# Altium PCB X1000_BB.PcbDoc (part 1 of 2) (continued)
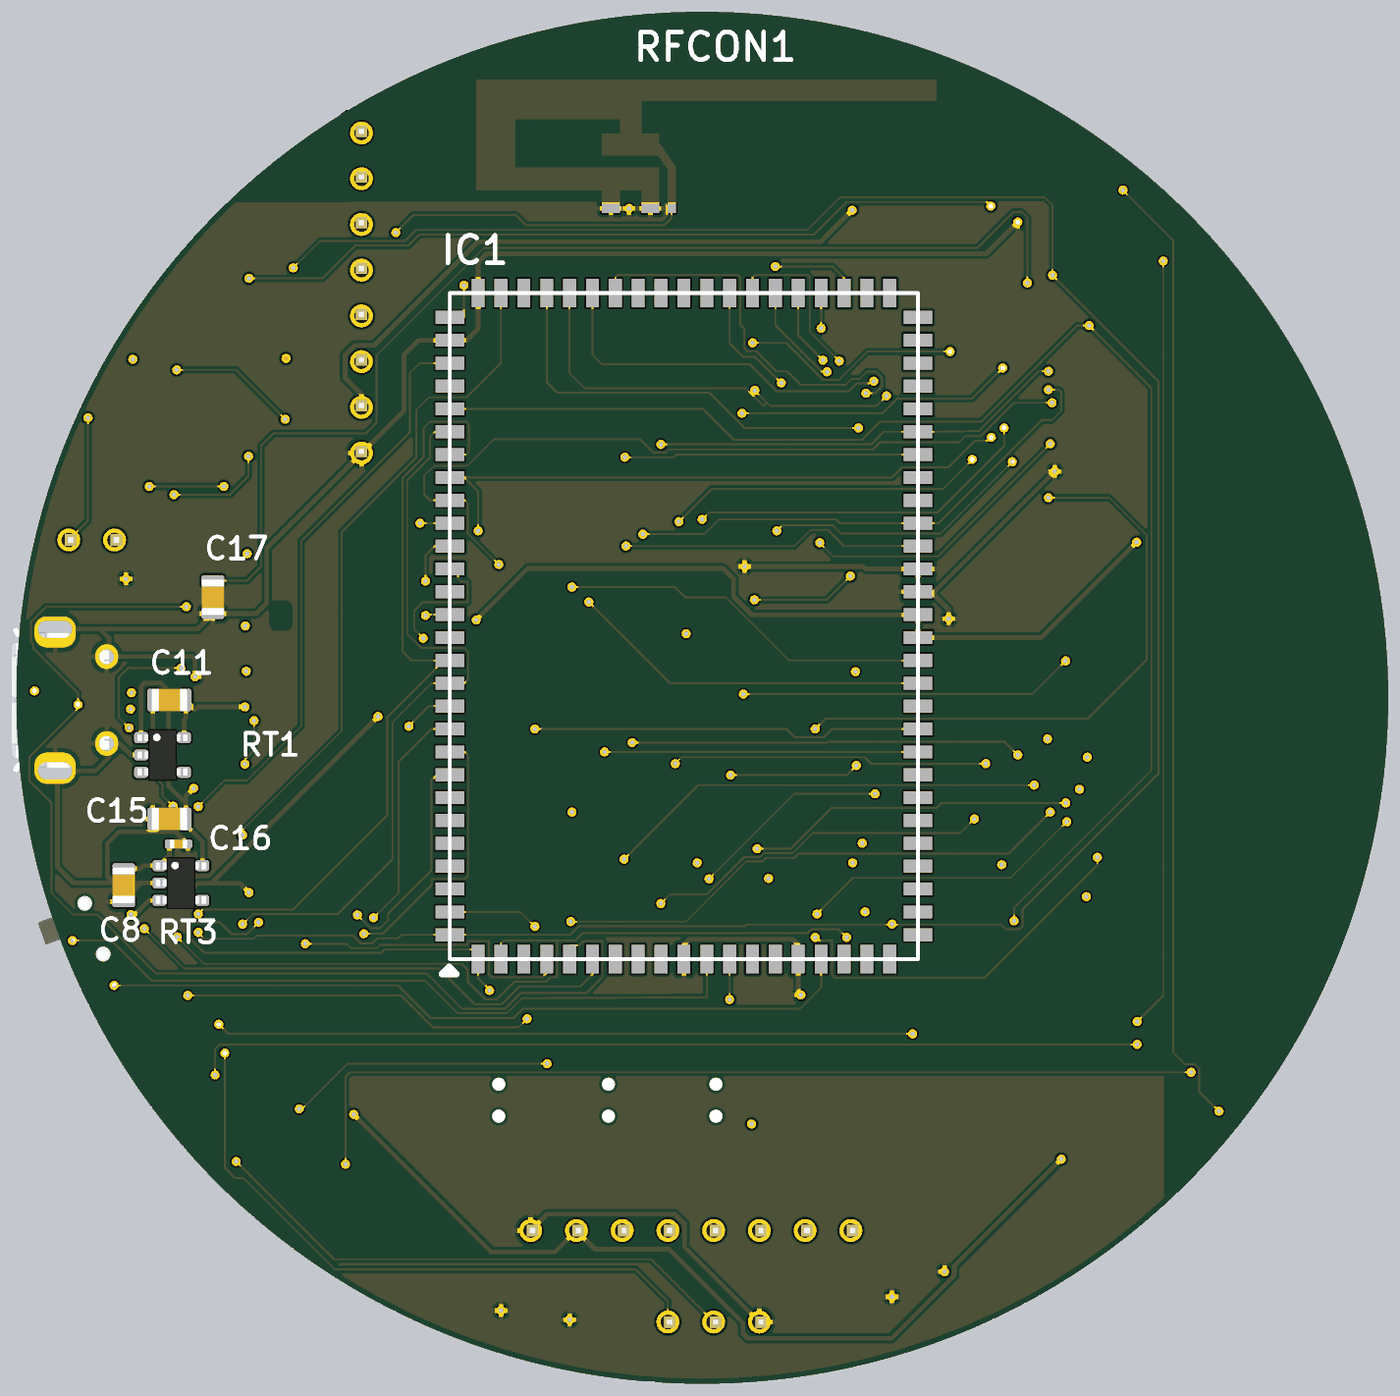
[diagram p6: 3D render of the assembled board from below, using the file's embedded part models]

## Layer stack, top to bottom
Top Solder: solder mask 0.4, Solder Resist, Dk 3.5
Top Layer: signal copper 1.4
Dielectric 1: core 10, FR-4, Dk 4.2
Signal Layer 1: signal copper 1.417
Dielectric 3: prepreg 5, Dk 4.2
Signal Layer 2: signal copper 1.417
Dielectric 2: core 10, Dk 4.2
Bottom Layer: signal copper 1.4
Bottom Solder: solder mask 0.4, Solder Resist, Dk 3.5

## Board outline
2525,3030 ccw(c4025,3030) 4025,1530 ccw(c4025,3030) 5525,3030 ccw(c4025,3030) 4025,4530 ccw(c4025,3030)

## Design rules (kind name [scope] priority, off if disabled: settings)
Clearance [InComponent('RFCON1')] p1: gap=0 ignorepadtopadclearanceinfootprint=FALSE
Clearance Clearance_2 [InComponent('RFCON2')] p2: gap=0 ignorepadtopadclearanceinfootprint=FALSE
Clearance Clearance_1 [All] p3: gap=6 ignorepadtopadclearanceinfootprint=FALSE except(0: Arc-Hole Track-Hole SMDPad-Hole THPad-Hole Via-Hole Fill-Hole Poly-Hole Region-Hole Text-Hole)
MinimumSolderMaskSliver [All] p1: minsoldermaskwidth=1
PolygonConnect [All] p1: connectstyle=Relief reliefconductorwidth=10 reliefentries=4 polygonreliefangle="90 Angle" airgapwidth=10
RoutingVias [All] p1: holewidth=10 width=20 viastyle="Through Hole" minholewidth=10 minwidth=20 maxholewidth=18 maxwidth=30
SilkToSilkClearance [All] p1: silktosilkclearance=3
SilkToSolderMaskClearance [IsPad] p1: minsilkscreentomaskgap=0 clearancetoexposedcopper=TRUE
SolderMaskExpansion [All] p1: expansion=4
Width WidthGND [InNet('GND')] p1: maxlimit=20 minlimit=6 preferedwidth=10 midlayer1_minwidth=10 midlayer2_minwidth=10 minimp=50.000000 maximp=50.000000 favimp=50.000000
Width WidthVCC33 [InNet('3.3V')] p2: maxlimit=20 minlimit=6 preferedwidth=10 midlayer1_minwidth=10 midlayer2_minwidth=10 minimp=50.000000 maximp=50.000000 favimp=50.000000
Width WidthVCC5 [InNet('5V')] p3: maxlimit=20 minlimit=6 preferedwidth=10 midlayer1_minwidth=10 midlayer2_minwidth=10 minimp=50.000000 maximp=50.000000 favimp=50.000000
Width WidthVCC12 [InNet('1.2V')] p4: maxlimit=20 minlimit=6 preferedwidth=10 midlayer1_minwidth=10 midlayer2_minwidth=10 minimp=50.000000 maximp=50.000000 favimp=50.000000
Width Width_1 [All] p5: maxlimit=10 minlimit=4 preferedwidth=10 toplayer_prefwidth=4 midlayer1_minwidth=10 midlayer2_minwidth=10 bottomlayer_prefwidth=4 minimp=50.000000 maximp=50.000000 favimp=50.000000
27 further rules are at their usual default settings.

## Classes and differential pairs
component class Audio: C1 C2 C3 C18 P1 R1 R2 R3 U1
component class Camera: J1 R4 R5 R6 R7
component class DMIC_LED: C4 C5 C6 C7 D1 D2 D3 D4 U2 U3 U4 U5
component class Halley2: IC1 RFCON1
component class Port: P2 P3 P4
component class Power: C8 C9 C10 C11 C12 C13 C14 C15 C16 C17 D9 RT1 RT2 RT3 RT4 S1 S2 S3 S4
component class USB: USB1
component class WiFi_BLE2: C19 C20 C21 C22 C23 C24 C25 L1 R15 R16 R17 R18 R19 R20 R21 R22 R23 RFCON2 U6 XT1
component class Xcore10: U7

## Components (designator, comment, footprint, x,y, rotation, side; value= is the part's Value field where it differs from the comment)
C1 "Cap_0402" CAP_0402 4975,3700 r0 top value=1uF
C2 "Cap_0402" CAP_0402 5165,3300 r0 top value=0.1uF
C3 "Cap_0402" CAP_0402 5160,3440 r0 top value=0.1uF
C4 "Cap_0603" CAP_0603 3520,4100 r0 top value=0.1uF
C5 "Cap_0603" CAP_0603 4935,3770 r0 top value=0.1uF
C6 "Cap_0603" CAP_0603 4765,2085 r0 top value=0.1uF
C7 "Cap_0603" CAP_0603 3145,2230 r0 top value=0.1uF
C8 "Cap_0805" CAP_0805 5290,2620 r90 bottom value=10uF
C9 "Cap_0805" CAP_0805 5100,2155 r180 top value=10uF
C10 "Cap_0402" CAP_0402 5180,2830 r180 top value=1uF
C11 "Cap_0805" CAP_0805 5190,3025 r180 bottom value=10uF
C12 "Cap_0402" CAP_0402 2935,3740 r90 top value=1uF
C13 "Cap_0805" CAP_0805 3160,3540 r90 top value=10uF
C14 "Cap_0402" CAP_0402 3045,3455 r0 top value=1uF
C15 "Cap_0805" CAP_0805 5190,2765 r180 bottom value=10uF
C16 "Cap_0402" CAP_0402 5170,2710 r0 bottom value=1uF
C17 "Cap_0805" CAP_0805 5095,3250 r90 bottom value=10uF
C18 "Cap_0402" CAP_0402 5380,3545 r90 top value=1uF
C19 "Cap_0805" CAP_0805 3505,2605 r90 top value=10uF
C20 "Cap_0402" CAP_0402 3635,2615 r90 top value=0.1uF
C21 "Cap_0402" CAP_0402 3065,2810 r90 top value=0.1uF
C22 "Cap_0805" CAP_0805 3710,2605 r90 top value=10uF
C23 "Cap_0402" CAP_0402 3055,3045 r270 top value=10pF
C24 "Cap_0402" CAP_0402 3040,2485 r270 top value=22pF
C25 "Cap_0402" CAP_0402 3255,2490 r90 top value=22pF
D1 "LED_3535_SK6812" LED_3535_4P 5115,3835 r0 top
D2 "LED_3535_SK6812" LED_3535_4P 3335,4105 r0 top
D3 "LED_3535_SK6812" LED_3535_4P 3015,2105 r0 top
D4 "LED_3535_SK6812" LED_3535_4P 4755,1870 r0 top
D9 "IN4001" DO-214AC 5095,2270 r0 top value=1N4001
IC1 "Halley2" Halley2 4065,3186.65 r90 bottom
J1 "CSI_24P" FFC_0.5_24 3370,3615 r90 top
L1 "Ind_0402" IND_0402 3560,2605 r90 top value=3.3uH
P1 "Speaker" HDR1X2_2.54_180 5310,3375 r90 top
P2 "HDR1x8_2.54" HDR1X8_2.54_180 3700,1865 r90 top
P3 "HDR1x8_2.54" HDR1X8_2.54_180 4770,4265 r0 top
P4 "HDR1x3_2.54" HDR1X3_2.54_180 4100,1665 r270 top
R1 "Res_0402" RES_0402 4975,3665 r0 top value=47K
R2 "Res_0402" RES_0402 5055,3545 r270 top value=30K
R3 "Res_0402" RES_0402 4975,3580 r0 top value=30K
R4 "Res_0402" RES_0402 3220,3410 r180 top value=0R(NC)
R5 "Res_0402" RES_0402 3220,3370 r180 top value=0R(NC)
R6 "Res_0402" RES_0402 3220,3780 r270 top value=2.2K
R7 "Res_0402" RES_0402 3220,3695 r90 top value=2.2K
R15 "Res_0402" RES_0402 3450,2615 r270 top value=47K
R16 "Res_0402" RES_0402 3400,2615 r270 top value=47K
R17 "Res_0402" RES_0402 3355,2615 r270 top value=47K
R18 "Res_0402" RES_0402 3310,2615 r270 top value=47K
R19 "Res_0402" RES_0402 3265,2615 r270 top value=47K
R20 "Res_0402" RES_0402 3220,2615 r270 top value=47K
R21 "Res_0402" RES_0402 3695,2835 r0 top value=47K
R22 "Res_0402" RES_0402 3690,2790 r180 top value=47K
R23 "Res_0402" RES_0402 3690,3145 r90 top value=4.7K
RFCON1 "U.FL-R-SMT" ANTENNA_DN007N 4091.93,4100 r180 bottom
RFCON2 "U.FL-R-SMT" ANTENNA_DN007N 2965,2883.07 r90 top
RT1 "RT9103-12GB" SOT23-5 5205,2905 r180 bottom
RT2 "RT9193-15GB" SOT23-5 3040,3540 r0 top
RT3 "RT9103-33GB" SOT23-5 5165,2625 r180 bottom
RT4 "RT9193-28GB" SOT23-5 3040,3725 r0 top
S1 "SwitchSPDT_2.8x6.6_90" SwitchSPDT_2.8X6.6_90 5355,2525 r70 top
S2 "Boot" ButtonTACT_3x4x2_180H 4470,2150 r0 top
S3 "Reset" ButtonTACT_3x4x2_180H 4230,2150 r0 top
S4 "Wakeup" ButtonTACT_3x4x2_180H 3995,2150 r0 top
U1 "NS4150" SOP_E150_8 5205,3595 r0 top
U2 "MP45DT02" ST_HLGA6 4942.76,2032.99 r0 top
U3 "MP45DT02" ST_HLGA6 4920,3985 r0 top
U4 "MP45DT02" ST_HLGA6 3160,3965 r0 top
U5 "MP45DT02" ST_HLGA6 3220,1995 r0 top
U6 "AP6212A" AP6210 3370,2935 r0 top
U7 "XCORE10" CORE-32*26-1.0 4450,2950 r90 top
USB1 "USB_Micro" USB_Micro-AB 5430,3025 r270 top
XT1 "XTAL_3225_4P" XT_3225_4 3150,2495 r0 top value=26MHz

## Footprints (in the part's own frame and the unit in brackets; to place one, negate y for a bottom-side part, rotate by r counter-clockwise, add the part's x,y. Pads: shape width x height; smd on the part's side, far side on the other; paste and mask are expansions set on the pad)
ANTENNA_DN007N [mm]
  rect 0.46x0.5 smd: 1(0,0)
  rect 1x0.5 smd: 2(-1.18,0) 3(-3.38,0)
  Top Layer region: -10.86,0.99 -10.86,7.16 14.72,7.16 14.72,5.95 -1.68,5.95 -1.68,4.15 -0.68,4.15 -0.68,3.648 0.23,2.328 0.23,0.25 -0.23,0.25 -0.23,2.185 -0.751,2.94 -3.88,2.94 -3.88,4.15 -2.88,4.15 -2.88,4.95 -8.68,4.95 -8.68,2.28 -0.68,2.28 -0.68,0.25 -1.68,0.25 -1.68,0.99 -2.88,0.99 -2.88,0.25 -3.88,0.25 -3.88,0.99 -10.86,0.99
AP6210 [mil]
  rect 44.3x19.7 smd: P1(-224,177) P2(-224,142) P3(-224,106) P4(-224,71) P5(-224,35) P6(-224,0) P7(-224,-35) P8(-224,-71) P9(-224,-106) P10(-224,-142) P11(-224,-177) P23(224,-177) P24(224,-142) P25(224,-106) P26(224,-71) P27(224,-35) P28(224,0) P29(224,35) P30(224,71) P31(224,106) P32(224,142) P33(224,177)
  rect 19.7x44.3 smd: P12(-177,-224) P13(-142,-224) P14(-106,-224) P15(-71,-224) P16(-35,-224) P17(0,-224) P18(35,-224) P19(71,-224) P20(106,-224) P21(142,-224) P22(177,-224) P34(177,224) P35(142,224) P36(106,224) P37(71,224) P38(35,224) P39(0,224) P40(-35,224) P41(-71,224) P42(-106,224) P43(-142,224) P44(-177,224)
  rect 23.6x23.6 smd: TP1(-106,142) TP2(-35,142) TP3(35,142)
  silkscreen extent -255,-255 255,255
ButtonTACT_3x4x2_180H [mil]
  round 0 hole 28: 0(0,-35) 0(0,35)
  rrect50% 40x74 smd: 1(-78,0) 2(78,0)
  body extent -79,-49 79,49, height 63
CAP_0402 [mil]
  rrect50% 20x20 smd: 1(-20,0) 2(20,0)
  silkscreen extent -6,-9 6,9, body extent -20,-10 20,10, height 20
CAP_0603 [mil]
  rrect50% 22x30 smd: 1(-30,0) 2(30,0)
  silkscreen extent -10,-15 10,15, body extent -31,-16 31,16, height 31
CAP_0805 [mil]
  rrect50% 24x50 smd: 1(-36,0) 2(36,0)
  silkscreen extent -12,-24 12,24, body extent -39,-25 39,25, height 39
CORE-32*26-1.0 [mm]
  oval 1.5x0.6 smd: 1(-13,13.5) 2(-13,12.5) 3(-13,11.5) 4(-13,10.5) 5(-13,9.5) 6(-13,8.5) 7(-13,7.5) 8(-13,6.5) 9(-13,5.5) 10(-13,4.5) 11(-13,3.5) 12(-13,2.5) 13(-13,1.5) 14(-13,0.5) 15(-13,-0.5) 16(-13,-1.5) 17(-13,-2.5) 18(-13,-3.5) 19(-13,-4.5) 20(-13,-5.5) 21(-13,-6.5) 22(-13,-7.5) 23(-13,-8.5) 24(-13,-9.5) 25(-13,-10.5) 26(-13,-11.5) 27(-13,-12.5) 28(-13,-13.5) 54(13,-13.5) 55(13,-12.5) 56(13,-11.5) 57(13,-10.5) 58(13,-9.5) 59(13,-8.5) 60(13,-7.5) 61(13,-6.5) 62(13,-5.5) 63(13,-4.5) 64(13,-3.5) 65(13,-2.5) 66(13,-1.5) 67(13,-0.5) 68(13,0.5) 69(13,1.5) 70(13,2.5) 71(13,3.5) 72(13,4.5) 73(13,5.5) 74(13,6.5) 75(13,7.5) 76(13,8.5) 77(13,9.5) 78(13,10.5) 79(13,11.5) 80(13,12.5) 81(13,13.5)
  oval 0.6x1.5 smd: 29(-12,-16) 30(-11,-16) 31(-10,-16) 32(-9,-16) 33(-8,-16) 34(-7,-16) 35(-6,-16) 36(-5,-16) 37(-4,-16) 38(-3,-16) 39(-2,-16) 40(-1,-16) 41(0,-16) 42(1,-16) 43(2,-16) 44(3,-16) 45(4,-16) 46(5,-16) 47(6,-16) 48(7,-16) 49(8,-16) 50(9,-16) 51(10,-16) 52(11,-16) 53(12,-16) 82(12,16) 83(11,16) 84(10,16) 85(9,16) 86(8,16) 87(7,16) 88(6,16) 89(5,16) 90(4,16) 91(3,16) 92(2,16) 93(1,16) 94(0,16) 95(-1,16) 96(-2,16) 97(-3,16) 98(-4,16) 99(-5,16) 100(-6,16) 101(-7,16) 102(-8,16) 103(-9,16) 104(-10,16) 105(-11,16) 106(-12,16)
  Keep-Out Layer lines w0.127: -9.904,12.737 ccw(c-9.904,12.509) -10.131,12.509 -10.131,11.64 ccw(c-9.953,11.64) -9.953,11.461 -9.449,11.461 ccw(c-9.449,11.64) -9.27,11.64 -9.27,12.509 ccw(c-9.498,12.509) -9.498,12.737 -9.904,12.737 ; 8.096,11.237 ccw(c8.096,11.009) 7.869,11.009 7.869,10.14 ccw(c8.047,10.14) 8.047,9.961 8.551,9.961 ccw(c8.551,10.14) 8.73,10.14 8.73,11.009 ccw(c8.502,11.009) 8.502,11.237 8.096,11.237 ; -7.009,-12.17 ccw(c-7.009,-12.398) -7.237,-12.398 -7.237,-12.804 ccw(c-7.009,-12.804) -7.009,-13.031 -6.14,-13.031 ccw(c-6.14,-12.853) -5.961,-12.853 -5.961,-12.349 ccw(c-6.14,-12.349) -6.14,-12.17 -7.009,-12.17 ; 6.14,-12.17 ccw(c6.14,-12.349) 5.961,-12.349 5.961,-12.853 ccw(c6.14,-12.853) 6.14,-13.031 7.009,-13.031 ccw(c7.009,-12.804) 7.237,-12.804 7.237,-12.398 ccw(c7.009,-12.398) 7.009,-12.17 6.14,-12.17
  silkscreen extent -14.04,-16 13,16
DO-214AC [mil] "SMA"
  rrect50% 55x65 smd: 1(-80,0) 2(80,0)
  silkscreen extent -80,-55 80,55, body extent -98,-53 98,53, height 85
FFC_0.5_24 [mm]
  rrect50% 1.829x2.184 smd: 0(-7.747,-1.524) 0(7.747,-1.524)
  rrect50% 0.254x1.27 smd: 1(-5.75,1.625) 2(-5.25,1.625) 3(-4.75,1.625) 4(-4.25,1.625) 5(-3.75,1.625) 6(-3.25,1.625) 7(-2.75,1.625) 8(-2.25,1.625) 9(-1.75,1.625) 10(-1.25,1.625) 11(-0.75,1.625) 12(-0.25,1.625) 13(0.25,1.625) 14(0.75,1.625) 15(1.25,1.625) 16(1.75,1.625) 17(2.25,1.625) 18(2.75,1.625) 19(3.25,1.625) 20(3.75,1.625) 21(4.25,1.625) 22(4.75,1.625) 23(5.25,1.625) 24(5.75,1.625)
  silkscreen extent -7.75,-3.81 7.75,1.27, body extent -8.75,-3.93 8.75,1.41, height 2.08
Halley2 [mm]
  rect 1.6x0.72 smd: 1(-18.5,11.43) 2(-18.5,10.16) 3(-18.5,8.89) 4(-18.5,7.62) 5(-18.5,6.35) 6(-18.5,5.08) 7(-18.5,3.81) 8(-18.5,2.54) 9(-18.5,1.27) 10(-18.5,0) 11(-18.5,-1.27) 12(-18.5,-2.54) 13(-18.5,-3.81) 14(-18.5,-5.08) 15(-18.5,-6.35) 16(-18.5,-7.62) 17(-18.5,-8.89) 18(-18.5,-10.16) 19(-18.5,-11.43) 48(18.5,-11.43) 49(18.5,-10.16) 50(18.5,-8.89) 51(18.5,-7.62) 52(18.5,-6.35) 53(18.5,-5.08) 54(18.5,-3.81) 55(18.5,-2.54) 56(18.5,-1.27) 57(18.5,0) 58(18.5,1.27) 59(18.5,2.54) 60(18.5,3.81) 61(18.5,5.08) 62(18.5,6.35) 63(18.5,7.62) 64(18.5,8.89) 65(18.5,10.16) 66(18.5,11.43)
  rect 0.72x1.6 smd: 20(-17.145,-13) 21(-15.875,-13) 22(-14.605,-13) 23(-13.335,-13) 24(-12.065,-13) 25(-10.795,-13) 26(-9.525,-13) 27(-8.255,-13) 28(-6.985,-13) 29(-5.715,-13) 30(-4.445,-13) 31(-3.175,-13) 32(-1.905,-13) 33(-0.635,-13) 34(0.635,-13) 35(1.905,-13) 36(3.175,-13) 37(4.445,-13) 38(5.715,-13) 39(6.985,-13) 40(8.255,-13) 41(9.525,-13) 42(10.795,-13) 43(12.065,-13) 44(13.335,-13) 45(14.605,-13) 46(15.875,-13) 47(17.145,-13) 67(17.145,13) 68(15.875,13) 69(14.605,13) 70(13.335,13) 71(12.065,13) 72(10.795,13) 73(9.525,13) 74(8.255,13) 75(6.985,13) 76(5.715,13) 77(4.445,13) 78(3.175,13) 79(1.905,13) 80(0.635,13) 81(-0.635,13) 82(-1.905,13) 83(-3.175,13) 84(-4.445,13) 85(-5.715,13) 86(-6.985,13) 87(-8.255,13) 88(-9.525,13) 89(-10.795,13) 90(-12.065,13) 91(-13.335,13) 92(-14.605,13) 93(-15.875,13) 94(-17.145,13)
  silkscreen extent -19.33,-13 18.5,13.45
HDR1X2_2.54_180 [mil]
  round 50 hole 32: 1(0,0) 2(0,-100)
  body extent -49,-150 49,50, height 323
HDR1X3_2.54_180 [mil]
  round 50 hole 32: 1(0,0) 2(0,-100) 3(0,-200)
  body extent -49,-250 49,50, height 323
HDR1X8_2.54_180 [mil]
  round 50 hole 32: 1(0,0) 2(0,-100) 3(0,-200) 4(0,-300) 5(0,-400) 6(0,-500) 7(0,-600) 8(0,-700)
  body extent -49,-750 49,50, height 323
IND_0402 [mil]
  rrect50% 20x20 smd: 1(-20,0) 2(20,0)
  silkscreen extent -7,-9 7,9, body extent -20,-10 20,10, height 20
LED_3535_4P [mil]
  rrect50% 40x34 smd: 1(-59,34.45) 2(-59,-35) 3(59,-34.45) 4(59,35)
  silkscreen extent 55,-77 77,-55, body extent -69,-69 69,69, height 26
RES_0402 [mil]
  rrect50% 20x20 smd: 1(-20,0) 2(20,0)
  silkscreen extent -6,-10 6,10, body extent -20,-10 20,10, height 14
SOP_E150_8 [mil]
  oval 60x24 smd: 1(-100,75) 2(-100,25) 3(-100,-25) 4(-100,-75) 5(100,-75) 6(100,-25) 7(100,25) 8(100,75)
  silkscreen extent -55,-100 55,100, body extent -118,-96 118,96, height 69
SOT23-5 [mil]
  rrect50% 30x24 smd: 1(-47,38) 2(-47,0) 3(-47,-38) 4(47,-38) 5(47,38)
  silkscreen extent -21,-53 21,53, body extent -55,-57 55,57, height 57
ST_HLGA6 [mm]
  round 1 smd paste-25.4: 1(-1.2,1.6) 2(-1.2,0) 3(-1.2,-1.6) 4(1.2,-1.6) 5(1.2,0)
  oval 1x1.4 smd rot 135 paste-25.4: 6(1.1,1.5)
  silkscreen extent -1.9,-2.3 1.9,3.36
SwitchSPDT_2.8X6.6_90 [mil]
  rrect50% 42x30 smd: 0(-135,-42) 0(-135,47) 0(135,-42) 0(135,47)
  round 10 hole 31.5: 0(-59.06,0) 0(59.06,0)
  rrect50% 16x60 smd: 1(90,75) 2(30,75) 3(-90,75)
  body extent -152,-111 151,86, height 55
USB_Micro-AB [mil]
  rrect80% 68x90 hole 37 slot 75 at 90 deg copper offset 6,0 mask+0: 0(-155,10)
  oval 54x50 hole 32 mask+0: 0(-95,-103) 0(95,-103)
  rrect80% 68x90 hole 37 slot 75 at 90 deg copper offset -6,0 mask+0: 0(155,10)
  rrect50% 12x64 smd: 1(51.18,-100) 2(25.59,-100) 3(0,-100) 4(-25.59,-100) 5(-51.18,-100)
  silkscreen extent -151,-113 151,86, body extent -161,-109 161,104, height 108
XT_3225_4 [mil]
  rrect50% 40x48 smd: 1(-50,-35) 2(50,-35) 3(50,35) 4(-50,35)
  silkscreen extent -38,-54 38,54, body extent -63,-49 63,49, height 41

## Part data
C1 C2 C3 C4 C5 C6 C7 C8 C9 C10 C11 C12 C13 C14 C15 C16 C17 C18 C19 C20 C21 C22 C23 C24 C25: "Capacitor"
D1 D2 D3 D4: "LED"
D9: library part Diode_SMA, "Diode"
L1: "Inductor"
P1: library part HDR1x2_2.54, "Header"
P2 P3 P4: "Header"
R1 R2 R3 R4 R5 R6 R7 R15 R16 R17 R18 R19 R20 R21 R22 R23: "Resistor"
RFCON1 RFCON2: library part ANT_0, 1ST PART DESCRIPTION=U.FL-R-SMT
RT1 RT2 RT3 RT4: library part RT9193, "Power"
S1: "Switch"
S2 S3 S4: library part ButtonTACT_3x4x2_180, "Button"
U1: "D Class Audio Amp"
U2 U3 U4 U5: "Mic Omni-Directional -26dB 3.6V Rectangular Solder Pad", Package=None, Availability=Good, MF=STMicroelectronics, MP=MP45DT02, Price="2.57 USD"
U6: library part AP6210, BOM_Manufacturer Part=?, spicePre=U, timeStamp=1455127572
USB1: "USB"
XT1: "Crystal Oscillator"

## Via types
v1: diameter 20, hole 10, Top Layer to Bottom Layer, 170 vias

## Nets (pads, with @x,y where several pads share a name; then routed paths per layer and width w, separated by ;. In a path a pad name is that pad's centre, name@x,y a point inside that pad or via, vN(x,y) a via of type N, cw(c..) or ccw(c..) an arc to the next point about the centre after c; other vN are vias at no path point)
1.2V: C11.2 RT1.5 U7.43 U7.44 | length 330
  Top Layer w10: v1(5025,3010) 5040,3010 5051,3021 5051,3028.74 U7.43@5079.92,3028.74 U7.44@5079.92,3068.11
  Bottom Layer w10: v1(5025,3010) 5128,3010 5134,3004 C11.2@5154,3024 ; C11.2@5154,3025 C11.2@5154,3024 ; RT1.5@5158,2943 5158,2982 5154,2986 C11.2@5154,3024
1.5V: C13.2 J1.15 RT2.5 | length 256.4
  Top Layer w4: RT2.5@3087,3578 3122,3578 3124,3576 C13.2@3160,3576 3193,3576 3281.21,3664.21 J1.15@3306.02,3664.21
2.8V: C17.2 J1.21 RT4.5 | length 2976.7
  Top Layer w4: RT4.5@3087,3763 3139.96,3763 ; J1.21@3306.02,3782.32 3262.32,3782.32 3262,3782 3172,3782 3153,3763 3139.96,3763 ; v1(3314,3937.04) 3139.96,3763
  Bottom Layer w4: v1(3314,3937.04) 3314,4080 3326,4092 3345,4092 3423,4014 4502,4014 4737,3779 4737,3632 4761,3608 4962,3608 4990,3580 4990,3316 5020,3286 C17.2@5095,3286
3.3V: C4.2 C6.2 C7.2 C10.2 C15.2 C18.2 C20.2 C21.2 C22.2 J1.14 P2.7 P3.7 R1.2 R4.2 R15.2 R16.2 R17.2 R18.2 R19.2 R20.2 R23.1 RT1.1 RT3.5 U1.6 U2.6 U3.2 U4.6 U5.2 U5.6 U6.P9 U6.P22 U7.38 U7.39 U7.40 | length 12321.7
  Top Layer w10: C21.2@3065,2829 U6.P9@3146,2829 3199,2829 v1(3200,2830) ; v1(3185,2595) R20.2@3220,2595 ; R4.2@3200,3410 3200,3519 3190,3529 3092,3529 3068,3553 ; U5.6@3263.31,2054.06 3263.31,2044.31 v1(3240,2021) 3214,1995 U5.2@3172.76,1995 3208,2030.24 3208,2144 3175,2177 C7.2@3175,2230 3175,2345 3276,2446 3276,2539 R20.2@3220,2595 ; J1.14@3306.02,3644.53 3279.91,3644.53 3188.39,3553 3068,3553 ; U6.P22@3547,2711 3547,2688 3582,2688 C20.2@3635,2635 ; C4.2@3550,4100 C4.2@3550,4096 ; v1(3675,2712) 3675,2646 3680,2641 C22.2@3710,2641 3675,2641 3669,2635 C20.2@3635,2635 ; v1(3690,3087) R23.1@3690,3125 ; v1(3697,4096) C4.2@3550,4096 ; P3.7@4770,3665 4816,3711 4816,4055 4840,4079 4890,4079 4904,4065 4904,4032.14 ; v1(4787,2119) 4795,2111 C6.2@4795,2085 4822,2085 4889,2152 4927.26,2152 4960,2119.26 4960,2092.05 U2.6@4976,2092.05 ; U3.2@4872.76,3985 4904,4016.24 4904,4032.14 ; U2.6@4986.06,2092.05 U2.6@4976,2092.05 ; R1.2@4995,3665 5023,3693 ; v1(5137,2831.89) v1@5129,2831.89 ; C10.2@5160,2830 5130.89,2830 v1@5129,2831.89 ; C18.2@5380,3565 5345,3565 5340,3570 U1.6@5305,3570 5235,3570 5205,3600 5205,3893 5200,3898 5140,3898 ; 3068,3553 3061,3560 3061,3800 3154,3893 3154,4000 3178.06,4024.06 U4.6@3203.31,4024.06 3208.37,4029.12 3215.49,4022 3520,4022 3550,4052 C4.2@3550,4096 ; R20.2@3220,2595 R19.2@3265,2595 R18.2@3310,2595 R17.2@3355,2595 R16.2@3400,2595 R15.2@3450,2595 3450,2561 3477,2534 3566,2534 3614,2582 3614,2614 C20.2@3635,2635 ; 4904,4032.14 4963.86,4088 4978,4088 4993,4073 5006,4073 5080,3999 5080,3918 5100,3898 5140,3898 ; U2.6@4976,2092.05 4976,2323 5005,2352 5005,2466.88 4958,2513.88 4958,2570 4995,2607 4995,2790 5036.89,2831.89 U7.38@5079.92,2831.89 ; 5023,3693 5108,3778 5108,3866 5140,3898 ; 5023,3693 5133,3693 5156,3670 5156,3587 5146,3577 5146,3497 5109,3460 5061.72,3460 4984,3382.28 4984,2966.63 5040,2910.63 U7.40@5079.92,2910.63 U7.39@5079.92,2871.26 U7.38@5079.92,2831.89 ; U7.38@5079.92,2831.89 v1@5129,2831.89
  Signal Layer 1 w10: v1(3185,2595) 3185,2815 v1(3200,2830) ; v1(3675,2712) 3709,2746 3709,3068 v1(3690,3087)
  Bottom Layer w10: v1(3240,2021) 3474,1787 3474,1766.3 3611.3,1629 3925,1629 3936,1640 3936,1663 4097,1824 4259,1824 P2.7@4300,1865 4347,1818 4486,1818 v1(4787,2119) ; v1(3697,4096) 3766,4027 4516,4027 4742,3801 4785,3801 4806,3780 4806,3729 4770,3693 P3.7@4770,3665 ; RT3.5@5118,2663 5118,2716 5154,2752 C15.2@5154,2765 5154,2799.09 ; v1(5137,2831.89) 5154,2814.89 5154,2799.09 ; RT1.1@5252,2943 5252,3054 5243.5,3062.5 5209.5,3062.5 5191.91,3044.91 5191.91,2837 5154,2799.09
4.3V: C9.2 D1.4 D2.4 D3.4 D4.4 D9.2 | length 6694.6
  Top Layer w4: v1(3017,3985) 3144,4112 3335,4112 3363,4140 D2.4@3394,4140 ; D3.4@3074,2140 v1(3074,2272) v1(3074,2322) ; D4.4@4814,1905 4975,1905 5064,1994 C9.2@5064,2155 5064,2180 5089,2205 v1(5090,2205) 5110,2205 D9.2@5175,2270 5175,2432 5201,2458 5201,2800.09 5181,2820.09 5181,3085.54 5183,3087.54 5183,3239 5165,3257 5165,3341 5159,3347 5159,3564 5169,3574 5169,3721 5130,3760 5130,3857 5143,3870 D1.4@5174,3870
  Bottom Layer w4: v1(3017,3985) 3017,2379 v1(3074,2322) ; v1(3074,2272) 5080,2272 5090,2262 v1(5090,2205)
5V: C8.2 C12.2 C14.2 C16.2 D9.1 IC1.33 IC1.34 RT2.1 RT2.3 RT3.1 RT3.3 RT4.1 RT4.3 S1.2 | length 4404.9
  Top Layer w10: C12.2@2935,3760 2962,3760 2965,3763 RT4.1@2993,3763 3001,3763 3019,3745 3019,3710 2996,3687 RT4.3@2993,3687 RT2.1@2993,3578 2975,3578 2967,3570 2967,3510 2975,3502 RT2.3@2993,3502 2993,3411 3020,3384 3040,3384 3065,3409 ; C14.2@3065,3455 3065,3409 ; v1(3075,3370) 3065,3380 3065,3409 ; v1(4519,3200) 4519,3222 4610,3313 4701,3313 4734,3280 v1(4734,2989) ; D9.1@5015,2270 5015,2339 5026,2350 5026,2475.28 4974,2527.28 4974,2562 v1(5016,2604) ; v1(5274,2556) 5274,2578.84 S1.2@5294.78,2578.84
  Bottom Layer w10: v1(3075,3370) 3283.35,3161.65 IC1.33@3553.19,3161.65 IC1.34@3553.19,3211.65 3917.05,3211.65 3956,3250.6 3956,3289 3980,3313 4406,3313 v1(4519,3200) ; v1(4734,2989) 5099,2624 ; v1(5016,2604) 5036,2624 5099,2624 ; C16.2@5190,2710 5190,2685 RT3.1@5212,2663 ; v1(5274,2556) 5265,2556 5234,2587 RT3.3@5212,2587 5194,2587 ; C8.2@5290,2656 5254,2656 5247,2663 RT3.1@5212,2663 ; 5099,2624 5128,2624 5165,2587 5194,2587 ; 5194,2587 5186,2595 5186,2655 5194,2663 RT3.1@5212,2663
BOOT_SELECT0: IC1.69 S2.1 U7.34 | length 2840.2
  Top Layer w4: S2.1@4392,2150 4392,2195 4408,2211 v1(4408,2328) ; U7.34@5079.92,2674.41 5111.41,2674.41 5127,2690 v1(5127,2792) 5191,2728 5191,2488.86 5150,2447.86 v1(5150,2379)
  Bottom Layer w4: v1(4408,2328) 4427,2309 4614,2309 4684,2379 v1(5150,2379) ; IC1.69@4576.81,3761.65 4642.35,3761.65 4664,3740 4664,3611 4902,3373 4902,2968 5021.24,2848.76 5070.24,2848.76 v1(5127,2792)
BT_REG_EN: R23.2 U6.P34 U7.104 | length 840.4
  Top Layer w4: U6.P34@3547,3159 3547,3163.69 3619.69,3163.69 3621,3165 R23.2@3690,3165 3690,3151 3683,3151 3672,3140 3672,2932 3743,2861 3743,2816.14 3771,2788.14 3771,2758 3779,2750 3779,2579.3 3802,2556.3 U7.104@3820.08,2556.3
BT_WAKE_HOST: U6.P7 U7.102 | length 903.7
  Top Layer w4: U6.P7@3146,2900 v1(3183.15,2900) ; U7.102@3820.08,2635.04 v1(3880,2635) v1(3880,2635)
  Signal Layer 1 w10: v1(3183.15,2900) 3448.15,2635 v1(3880,2635)
BT_XTAL_IN: C24.2 U6.P10 XT1.1 | length 445.9
  Top Layer w4: C24.2@3040,2465 3067,2465 3072,2460 XT1.1@3100,2460 3100,2464 3128,2492 3128,2551.46 3113,2566.46 3113,2793 U6.P10@3146,2793
BT_XTAL_OUT: C25.2 U6.P11 XT1.3 | length 311.9
  Top Layer w4: U6.P11@3143,2755 3143,2587 XT1.3@3200,2530 3235,2530 C25.2@3255,2510
CIM_D0: IC1.61 J1.6 U7.91 | length 2327.2
  Top Layer w4: v1(3650,3722) 3645.5,3717.5 3645.5,3686.55 3446,3487.05 J1.6@3306.02,3487.05 3249.05,3487.05 3222,3460 3222,3352 3393,3352 3473,3432 3520.92,3432 3675.17,3277.75 3733.69,3277.75 3782,3229.45 3782,3075 3788.89,3068.11 U7.91@3820.08,3068.11
  Bottom Layer w4: v1(3650,3722) 3654.89,3717.11 3687.89,3717.11 3704.88,3700.12 3862.12,3700.12 3921,3759 4244,3759 4265,3780 IC1.61@4265,3915
CIM_D1: IC1.62 J1.4 U7.92 | length 2321.2
  Top Layer w4: J1.4@3306.02,3447.68 3439.16,3447.68 3458.53,3467.05 3481.46,3467.05 3685.21,3670.79 3685.21,3712.79 3658,3740 3642,3740 3622,3720 v1(3622,3690) ; U7.92@3820.08,3028.74 3859.87,3028.74 3888,3056.87 3888,3254.39 3911,3277.39 3911,3421.5 3898.5,3434 3898.5,3690.5 v1(3910,3702)
  Bottom Layer w4: v1(3622,3690) 3644,3668 3876,3668 3883.5,3675.5 ; v1(3910,3702) 3883.5,3675.5 ; IC1.62@4315,3915 4315,3740 4282,3707 3930,3707 3891,3668 3883.5,3675.5
CIM_D2: IC1.63 J1.3 U7.93 | length 2277.7
  Top Layer w4: J1.3@3306.02,3427.99 3449.16,3427.99 3463.17,3442 ; v1(3683.17,3619.88) 3520.33,3457.05 3478.21,3457.05 3463.17,3442 ; v1(3701,3296) 3701,3403 3662,3442 3463.17,3442 ; U7.93@3820.08,2989.37 3820.08,3002 3850.71,3002 3899.71,3051 3899.71,3232.71 v1(3911,3244)
  Bottom Layer w4: v1(3683.17,3619.88) 3931.88,3619.88 4009,3697 4342,3697 4365,3720 IC1.63@4365,3915 ; v1(3701,3296) 3753,3244 v1(3911,3244)
CIM_D3: IC1.60 J1.5 U7.94 | length 2745.4
  Top Layer w4: v1(3268,3467.36) J1.5@3306.02,3467.36 3421,3467.36 3430.68,3477.05 3469.19,3477.05 3667,3674.85 v1(3667,3696) ; v1(3778,2962) 3790,2950 U7.94@3820.08,2950
  Bottom Layer w4: v1(3268,3467.36) 3134.36,3467.36 3053.45,3386.45 3053.45,3112.55 3182,2984 3756,2984 v1(3778,2962) ; v1(3667,3696) 3646,3696 3632,3710 3632,3730 3645,3743 3665.21,3743 3681.11,3727.11 3697.89,3727.11 3710.75,3714.25 3810.24,3714.25 3839.79,3743.79 3862.71,3743.79 3906.82,3787.9 3925.9,3787.9 3933,3795 3933,3837 3942,3846 3942,3950 3947,3955 4210,3955 4215,3950 IC1.60@4215,3915
CIM_D4: J1.7 U7.84 | length 1195.2
  Top Layer w4: J1.7@3306.02,3506.73 3435.58,3506.73 3503,3574.15 3503,3630.12 3658.88,3786 3811,3786 3820,3777 3820,3763 3747,3690 3747,3356.7 3760,3343.7 U7.84@3820.08,3343.7
CIM_D5: J1.9 U7.83 | length 680.3
  Top Layer w4: J1.9@3306.02,3546.1 v1(3347,3546.1) ; U7.83@3820.08,3383.07 3850.07,3383.07 v1(3862,3395)
  Bottom Layer w4: v1(3347,3546.1) 3504.1,3389 3722,3389 3740,3407 3850,3407 v1(3862,3395)
CIM_D6: J1.11 U7.82 | length 753.5
  Top Layer w4: v1(3264,3585.47) J1.11@3306.02,3585.47 ; v1(3768,3369) 3768,3401 3789.44,3422.44 U7.82@3820.08,3422.44
  Bottom Layer w4: v1(3264,3585.47) 3510.47,3339 3738,3339 v1(3768,3369)
CIM_D7: J1.13 U7.81 | length 1222.9
  Top Layer w4: J1.13@3306.02,3624.84 3335,3624.84 3341,3618.84 3341,3610.14 3375,3576.15 3411,3576.15 3483,3648.15 v1(3483,3787) ; v1(3915,3806) 3928,3793 3928,3692 3910,3674 3910,3608.5 3918.5,3600 U7.81@3918.5,3461.81
  Bottom Layer w4: v1(3483,3787) 3664,3787 3726.21,3724.79 3759.79,3724.79 3841,3806 v1(3915,3806)
CIM_HSYN: J1.16 U7.78 | length 922.7
  Top Layer w4: J1.16@3306.02,3683.9 3343.1,3683.9 3365,3662 v1(3365,3620) ; v1(4025,3420) 4036.61,3431.61 U7.78@4036.61,3461.81
  Bottom Layer w4: v1(3365,3620) 3365,3580.4 3510.4,3435 4010,3435 v1(4025,3420)
CIM_MCLK: J1.12 U7.80 | length 1391.4
  Top Layer w4: J1.12@3306.02,3605.16 3331.84,3605.16 3370.85,3566.15 3421,3566.15 3493,3638.15 3493,3658 3846,4011 3895.45,4011 3938,3968.45 3938,3682 3920,3664 3920,3624 3957.87,3586.13 U7.80@3957.87,3461.81
CIM_PCLK: J1.8 U7.77 | length 883.3
  Top Layer w4: J1.8@3306.02,3526.42 3410,3526.42 v1(3434.58,3551) ; v1(4075.98,3415.02) U7.77@4075.98,3461.81
  Bottom Layer w4: v1(3434.58,3551) 3498.58,3487 4004,3487 v1(4075.98,3415.02)
CIM_VSYN: J1.18 U7.79 | length 899.2
  Top Layer w4: J1.18@3306.02,3723.27 3340.27,3723.27 v1(3368,3751) ; v1(3938,3652) 3997.24,3592.76 U7.79@3997.24,3461.81
  Bottom Layer w4: v1(3368,3751) 3435,3684 3599,3684 3631,3652 v1(3938,3652)
CLK32K: IC1.2 R21.2 U7.33 | length 2384.8
  Top Layer w4: v1(3709,2506) 3746,2543 3746,2592 3759,2605 3759,2700.74 3751,2708.74 3751,2777.61 3715,2813.61 R21.2@3715,2835 ; U7.33@5079.92,2635.04 5140,2635.04 5173,2602.04 v1(5173,2507)
  Bottom Layer w4: v1(3709,2506) 3727,2524 3786.55,2524 3795.55,2515 4287.18,2515 4303.18,2499 4342,2499 ; IC1.2@4465,2458.31 4465,2494 4460,2499 4342,2499 ; v1(5173,2507) 5114.29,2448.29 4550.79,2448.29 4537.62,2435.12 4537.62,2408.62 4499.42,2370.42 4474.58,2370.42 4436.19,2408.81 4366.59,2408.81 4356.87,2418.53 4342,2418.53 4342,2499
CODEC_PWMN: C3.1 IC1.12 U7.51 | length 1746.4
  Top Layer w4: v1(5020,3345) 5021.3,3343.7 U7.51@5079.92,3343.7 5110,3343.7 5140,3373.7 C3.1@5140,3440
  Signal Layer 1 w10: v1(3965,2370) 4039.37,2370 5014.37,3345 v1(5020,3345)
  Bottom Layer w4: v1(3965,2370) IC1.12@3965,2458.31
CODEC_PWMP: C2.1 IC1.11 U7.50 | length 2617.2
  Top Layer w4: U7.50@5079.92,3304.33 5117,3304.33 5121.33,3300 C2.1@5145,3300 5145,3262.51 5171,3236.51 5171,3121 5165,3115 v1(5165,3095) ; v1(5278,2964) 5289,2953 5289,2895 5402,2782 v1(5402,2499)
  Bottom Layer w4: IC1.11@4015,2458.31 4015,2375 4418.86,2373 4451.86,2340 4560,2340 4631,2411 5229.05,2411 5317.05,2499 v1(5402,2499) ; v1(5165,3095) 5276,3095 5278,3097 5301,3074 5301,2987 v1(5278,2964)
DMIC0_DATA: IC1.93 U2.5 U3.5 U7.13 | length 3223.3
  Top Layer w4: v1(4364,2230) 4364,2393.05 4390.95,2420 U7.13@4390.95,2438.19 v1(4390.95,2530) ; v1(4906,2131) 4926,2111 4926,2060 4953.01,2032.99 U2.5@4990,2032.99 ; v1(4935,3772) 4935,3914.6 4900.6,3949 4900.6,3994.46 4902.14,3996 4956.24,3996 U3.5@4967.24,3985
  Signal Layer 2 w10: v1(4906,2131) 4906,2475.3 4914,2483.3 4914,3309 4897,3326 4897,3734 v1(4935,3772)
  Bottom Layer w4: v1(4364,2230) 4800,2230 4899,2131 v1(4906,2131) ; v1(4390.95,2530) 4422.6,2561.65 IC1.93@4576.81,2561.65
DMIC1_DATA: IC1.71 U4.5 U5.5 U7.29 | length 5728.6
  Top Layer w4: v1(3179,3843.98) 3179,3936.76 U4.5@3207.24,3965 ; U5.5@3267.24,1995 3343,2070.76 ; v1(3343,2542) 3343,2070.76 ; v1(3565,2295) 3565,2292.76 3343,2070.76 ; U7.29@5079.92,2477.56 5082,2477.56 v1(5082,2316)
  Bottom Layer w4: v1(3343,2542) 3343,2571 3043,2871 3043,3707.98 v1(3179,3843.98) 3205.04,3843.98 3415.02,3634 3635.57,3634 3675.57,3594 3956,3594 4023.65,3661.65 IC1.71@4576.81,3661.65 ; v1(3565,2295) 5061,2295 v1(5082,2316)